# Altium PCB radioboard.PcbDoc (part 6 of 9) (continued)
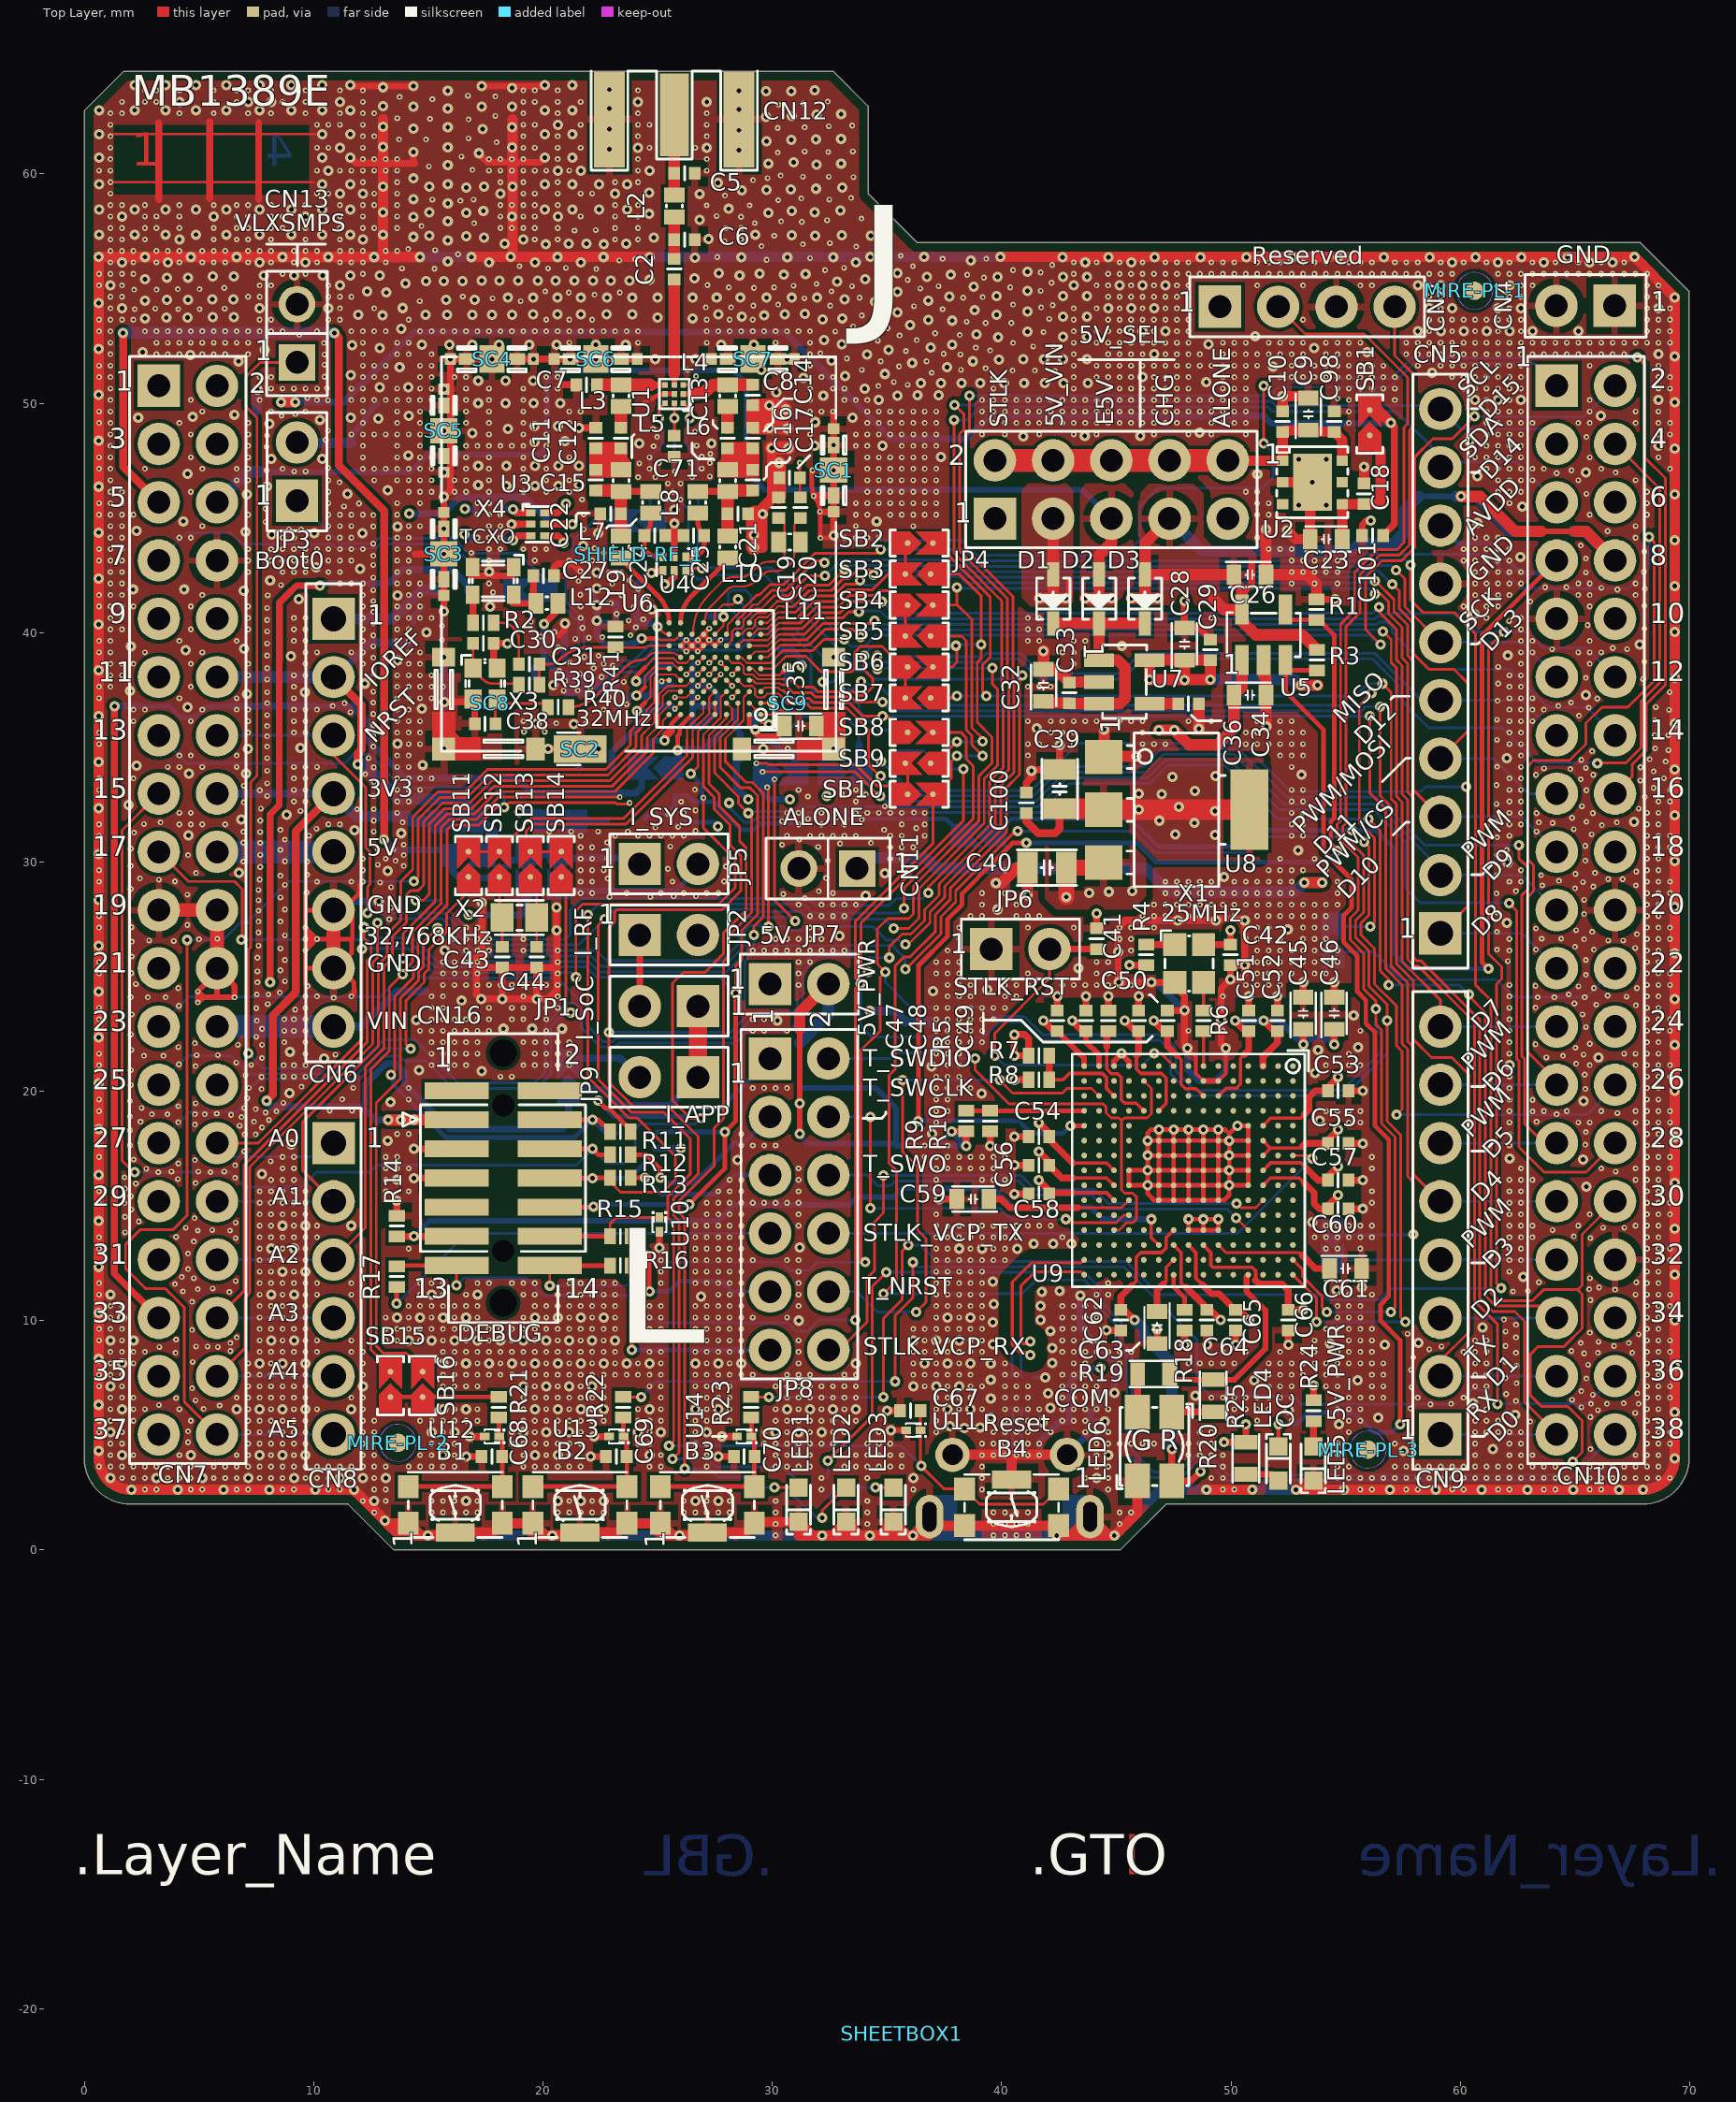
[diagram p0: Top Layer view]
## Nets (pads, with @x,y where several pads share a name; then routed paths per layer and width w, separated by ;. In a path a pad name is that pad's centre, name@x,y a point inside that pad or via, vN(x,y) a via of type N, cw(c..) or ccw(c..) an arc to the next point about the centre after c; other vN are vias at no path point) (continued)
67.643,21.638 68.143,21.638 68.643,21.638 2.05,21.8 65.025,21.9 4.1,21.925 6.7,22.025 7.75,22.025 63.275,22.05 65.65,22.075 4.825,22.1 8.718,22.138 9.643,22.138 15.143,22.138 15.643,22.138 16.143,22.138 16.643,22.138 17.143,22.138 19.143,22.138 19.643,22.138 20.143,22.138 20.643,22.138 21.143,22.138 37.143,22.138 37.643,22.138 38.143,22.138 38.643,22.138 39.143,22.138 62.143,22.138 68.143,22.138 68.643,22.138 7.5,22.375 2.025,22.475 8.718,22.638 9.143,22.638 9.643,22.638 14.643,22.638 15.143,22.638 15.643,22.638 16.143,22.638 16.643,22.638 17.143,22.638 17.643,22.638 20.143,22.638 29.143,22.638 29.643,22.638 30.643,22.638 37.143,22.638 37.643,22.638 38.143,22.638 38.643,22.638 39.143,22.638 48.143,22.638 49.643,22.638 55.643,22.638 62.143,22.638 68.143,22.638 68.643,22.638 69.143,22.638 7.75,22.725 65.475,22.8 7.525,23.075 0.643,23.138 8.718,23.138 9.143,23.138 9.643,23.138 15.143,23.138 15.643,23.138 16.143,23.138 16.643,23.138 17.143,23.138 17.643,23.138 18.643,23.138 19.143,23.138 20.143,23.138 29.143,23.138 29.643,23.138 37.143,23.138 37.643,23.138 38.143,23.138 38.643,23.138 39.143,23.138 39.643,23.138 62.143,23.138 68.143,23.138 68.643,23.138 69.143,23.138 2.075,23.35 65.325,23.35 9.193,23.563 0.643,23.638 7.5,23.625 9.643,23.638 15.143,23.638 15.643,23.638 17.643,23.638 18.643,23.638 19.143,23.638 20.143,23.638 20.643,23.638 37.143,23.638 37.643,23.638 38.143,23.638 38.643,23.638 39.143,23.638 39.643,23.638 40.143,23.638 49.643,23.638 62.143,23.638 68.143,23.638 68.643,23.638 63.275,23.65 4.125,23.725 67.65,23.75 65.925,23.775 8,23.8 64.975,23.825 10.875,24.075 2.025,24.1 2.775,24.1 3.55,24.1 63.375,24.1 64.1,24.1 65.425,24.1 67.25,24.125 9.643,24.138 10.143,24.138 15.143,24.138 15.643,24.138 19.143,24.138 20.643,24.138 37.643,24.138 38.143,24.138 38.643,24.138 40.143,24.138 40.643,24.138 49.643,24.138 62.143,24.138 68.143,24.138 68.643,24.138 66.425,24.175 7.525,24.225 8.025,24.225 64.725,24.225 8.525,24.3 4.1,24.5 65.825,24.5 67.7,24.5 65.15,24.575 63.275,24.6 15.643,24.638 16.143,24.638 16.643,24.638 17.143,24.638 17.643,24.638 18.143,24.638 18.643,24.638 19.143,24.638 19.643,24.638 20.143,24.638 20.643,24.638 31.143,24.638 37.643,24.638 38.143,24.638 38.643,24.638 40.143,24.638 40.643,24.638 41.143,24.638 42.643,24.638 43.143,24.638 43.643,24.638 44.143,24.638 44.643,24.638 45.643,24.638 50.643,24.638 51.143,24.638 51.643,24.638 52.143,24.638 62.143,24.638 68.143,24.638 68.643,24.638 69.143,24.638 2.25,24.675 7.55,24.75 8.75,24.8 65.475,25.075 0.643,25.138 15.643,25.138 16.143,25.138 16.643,25.138 17.143,25.138 20.643,25.138 31.143,25.138 37.143,25.138 37.643,25.138 38.143,25.138 41.143,25.138 44.143,25.138 44.643,25.138 51.143,25.138 51.643,25.138 52.143,25.138 52.643,25.138 53.643,25.138 54.143,25.138 68.143,25.138 68.643,25.138 69.143,25.138 2.05,25.15 7.55,25.225 8.55,25.275 0.643,25.638 15.643,25.638 16.143,25.638 16.643,25.638 17.143,25.638 20.643,25.638 31.143,25.638 31.643,25.638 37.143,25.638 37.643,25.638 38.143,25.638 44.143,25.638 44.643,25.638 51.143,25.638 51.643,25.638 52.143,25.638 52.643,25.638 53.143,25.638 53.643,25.638 54.143,25.638 54.643,25.638 68.143,25.638 68.643,25.638 62.075,25.675 8.75,25.725 65.475,25.725 7.55,25.825 2.075,25.875 9.643,26.138 16.643,26.138 17.143,26.138 17.643,26.138 19.143,26.138 20.643,26.138 29.143,26.138 29.643,26.138 30.143,26.138 30.643,26.138 31.143,26.138 31.643,26.138 32.143,26.138 32.643,26.138 33.143,26.138 37.643,26.138 38.143,26.138 45.643,26.138 51.143,26.138 51.643,26.138 52.143,26.138 52.643,26.138 53.143,26.138 53.643,26.138 54.143,26.138 54.643,26.138 62.143,26.138 68.143,26.138 68.643,26.138 61.6,26.175 63.3,26.175 65.825,26.175 8.55,26.225 67.625,26.25 65,26.3 7.6,26.35 2.075,26.525 3.9,26.55 2.825,26.575 66.45,26.575 67.1,26.575 5,26.625 16.143,26.638 16.643,26.638 17.143,26.638 17.643,26.638 19.143,26.638 30.143,26.638 30.643,26.638 31.143,26.638 31.643,26.638 32.143,26.638 38.143,26.638 45.143,26.638 45.643,26.638 50.643,26.638 51.143,26.638 51.643,26.638 52.143,26.638 53.143,26.638 53.643,26.638 54.143,26.638 62.143,26.638 65.4,26.625 68.143,26.638 68.643,26.638 69.143,26.638 63.55,26.65 64.4,26.65 8.75,26.8 67.7,26.85 7.6,26.925 61.6,26.95 65.75,26.95 65.05,27.025 63.3,27.1 0.643,27.138 2.05,27.15 9.643,27.138 16.643,27.138 17.143,27.138 31.643,27.138 32.143,27.138 38.143,27.138 41.143,27.138 43.143,27.138 45.143,27.138 45.643,27.138 46.143,27.138 46.643,27.138 51.143,27.138 51.643,27.138 53.143,27.138 53.643,27.138 54.143,27.138 68.143,27.138 68.643,27.138 69.143,27.138 4.5,27.25 7.6,27.4 8.55,27.4 13.3,27.5 0.643,27.638 31.643,27.638 32.143,27.638 32.643,27.638 33.143,27.638 38.643,27.638 39.143,27.638 40.643,27.638 41.143,27.638 41.643,27.638 46.143,27.638 46.643,27.638 47.143,27.638 48.143,27.638 48.643,27.638 50.143,27.638 51.143,27.638 51.643,27.638 52.143,27.638 52.643,27.638 53.143,27.638 53.643,27.638 54.143,27.638 68.143,27.638 68.643,27.638 65.4,27.725 61.6,27.8 7.6,27.875 8.75,27.925 13.375,28 31.143,28.138 32.143,28.138 32.643,28.138 33.143,28.138 33.643,28.138 39.143,28.138 40.643,28.138 46.643,28.138 47.143,28.138 47.643,28.138 48.143,28.138 48.643,28.138 49.143,28.138 49.643,28.138 50.143,28.138 50.643,28.138 51.143,28.138 51.643,28.138 52.143,28.138 52.643,28.138 53.143,28.138 53.643,28.138 54.143,28.138 54.643,28.138 68.143,28.138 68.643,28.138 7.6,28.325 65.4,28.35 31.425,28.425 8.55,28.45 22.9,28.475 24.687,28.475 25.7,28.5 26.675,28.5 4.5,28.575 30.475,28.6 61.575,28.625 21.643,28.638 22.143,28.638 23.643,28.638 25.143,28.638 26.143,28.638 27.143,28.638 27.643,28.638 32.643,28.638 39.143,28.638 40.143,28.638 47.143,28.638 47.643,28.638 48.143,28.638 48.643,28.638 49.143,28.638 49.643,28.638 50.143,28.638 50.643,28.638 51.143,28.638 51.643,28.638 52.143,28.638 52.643,28.638 54.643,28.638 68.143,28.638 68.643,28.638 69.143,28.638 32.025,28.725 62.425,28.725 7.6,28.775 2.025,28.825 65,28.85 13.375,28.9 65.8,28.925 63.575,28.975 67.65,28.975 8.75,29 12.9,29.1 65.35,29.125 0.643,29.138 3.95,29.15 10.143,29.138 11.643,29.138 21.643,29.138 22.143,29.138 25.643,29.138 27.9,29.15 47.143,29.138 47.643,29.138 48.143,29.138 48.643,29.138 49.143,29.138 50.143,29.138 50.643,29.138 51.143,29.138 51.643,29.138 52.143,29.138 52.643,29.138 54.643,29.138 62.143,29.138 62.643,29.138 68.143,29.138 68.643,29.138 69.143,29.138 64.3,29.175 3.25,29.225 7.649,29.232 66.45,29.25 67.075,29.25 2.425,29.275 22.825,29.275 32.35,29.3 8.55,29.4 9.718,29.438 61.6,29.425 63.525,29.425 65.025,29.475 4.875,29.525 65.875,29.525 67.675,29.575 0.643,29.638 12.143,29.638 21.643,29.638 22.143,29.638 22.643,29.638 40.143,29.638 51.643,29.638 52.143,29.638 52.643,29.638 53.143,29.638 54.143,29.638 62.643,29.638 68.143,29.638 68.643,29.638 25.45,29.7 7.674,29.782 27.975,29.8 2.025,29.825 13.925,29.825 12.8,29.875 6.938,30.015 9.718,30.013 8.75,30.025 13.575,30.05 32.425,30.05 65.45,30.05 12.143,30.138 13.143,30.138 21.643,30.138 22.143,30.138 22.8,30.15 35.143,30.138 35.643,30.138 52.143,30.138 53.643,30.138 68.143,30.138 68.643,30.138 4.525,30.3 13.925,30.3 61.6,30.3 7.674,30.307 8.55,30.525 62.025,30.525 12.8,30.55 13.475,30.55 2.025,30.575 21.643,30.638 22.143,30.638 32,30.65 35.143,30.638 35.643,30.638 36.143,30.638 68.143,30.638 68.643,30.638 69.143,30.638 25.55,30.675 65.45,30.7 13.925,30.75 30.425,30.75 32.95,30.8 7.674,30.832 34.3,30.825 6.938,30.84 22.8,30.85 8.75,30.975 31.175,30.975 61.6,31.075 0.643,31.138 9.793,31.138 21.643,31.138 23.143,31.138 24.143,31.138 24.643,31.138 25.143,31.138 25.643,31.138 26.143,31.138 30.643,31.138 31.643,31.138 32.143,31.138 32.643,31.138 33.143,31.138 33.643,31.138 35.143,31.138 35.643,31.138 36.643,31.138 52.643,31.138 53.143,31.138 62.143,31.138 68.143,31.138 68.643,31.138 69.143,31.138 65.725,31.2 2.175,31.275 6.938,31.315 7.674,31.307 12.625,31.325 20.275,31.325 21.225,31.325 22.4,31.325 23.7,31.325 63.325,31.325 26.65,31.35 8.55,31.4 34.875,31.4 64.95,31.425 10.125,31.45 36.275,31.475 24.9,31.5 25.9,31.525 66.175,31.6 0.643,31.638 2.6,31.65 4.143,31.638 4.643,31.638 5.143,31.638 6.143,31.638 10.643,31.638 11.143,31.638 31.143,31.638 32.143,31.638 33.143,31.638 35.643,31.638 36.643,31.638 52.643,31.638 53.143,31.638 62.143,31.638 62.643,31.638 68.143,31.638 68.643,31.638 64.025,31.7 3.325,31.725 13.875,31.725 63.425,31.725 66.825,31.725 61.575,31.75 65.5,31.75 30.425,31.775 7.675,31.8 12.625,31.8 33.9,31.85 31.55,31.875 64.875,31.925 32.825,31.95 25.475,32.075 63.325,32.125 65.775,32.125 4.143,32.138 4.643,32.138 13.643,32.138 26.143,32.138 30.643,32.138 31.143,32.138 32.143,32.138 33.643,32.138 34.143,32.138 34.643,32.138 35.143,32.138 35.643,32.138 36.175,32.15 36.643,32.138 52.643,32.138 53.143,32.138 62.143,32.138 62.643,32.138 68.143,32.138 68.643,32.138 9.425,32.225 26.65,32.25 11.9,32.3 12.625,32.3 7.7,32.325 67.775,32.325 34.9,32.425 65.3,32.425 61.575,32.525 6.95,32.6 9.143,32.638 9.643,32.638 13.643,32.638 14.143,32.638 26.025,32.625 33.643,32.638 52.643,32.638 53.143,32.638 62.143,32.638 62.643,32.638 68.643,32.638 69.143,32.638 68.05,32.825 31.55,32.85 7.975,32.875 12.625,32.875 34.075,32.95 33.025,32.975 0.643,33.138 7.65,33.125 9.143,33.138 9.643,33.138 13.643,33.138 14.143,33.138 14.643,33.138 31.143,33.138 33.643,33.138 52.643,33.138 53.143,33.138 62.143,33.138 62.643,33.138 65.5,33.125 69.143,33.138 26.625,33.15 68.425,33.225 6.95,33.325 61.575,33.35 7.975,33.425 12.625,33.475 67.85,33.55 65.25,33.6 0.643,33.638 2.143,33.638 9.143,33.638 9.643,33.638 13.643,33.638 14.143,33.638 14.643,33.638 15.143,33.638 16.143,33.638 16.643,33.638 62.143,33.638 62.643,33.638 68.875,33.65 63.3,33.8 65.8,33.8 12.25,33.825 68.425,33.95 7.975,33.975 64.8,34.05 63.65,34.075 65.475,34.1 3.643,34.138 4.143,34.138 5.143,34.138 6.643,34.138 9.143,34.138 9.643,34.138 10.143,34.138 12.625,34.125 13.643,34.138 14.143,34.138 52.643,34.138 62.643,34.138 67.85,34.125 61.6,34.15 68.95,34.375 65.275,34.45 68.25,34.475 7.975,34.525 12.4,34.525 4.143,34.638 4.643,34.638 6.643,34.638 13.643,34.638 14.143,34.638 41.143,34.638 52.143,34.638 52.643,34.638 53.143,34.638 62.643,34.638 65.75,34.825 69.075,34.875 30.675,34.95 68.5,34.95 7.975,35.025 12.6,35.025 0.643,35.138 14.143,35.138 14.643,35.138 41.143,35.138 41.643,35.138 43.143,35.138 46.143,35.138 46.643,35.138 47.143,35.138 50.643,35.138 51.143,35.138 51.643,35.138 52.143,35.138 52.643,35.138 53.143,35.138 62.143,35.138 62.643,35.138 61.6,35.325 7.975,35.475 12.6,35.5 68.475,35.525 69.075,35.525 0.643,35.638 7.143,35.638 9.143,35.638 9.643,35.638 13.643,35.638 14.143,35.638 14.643,35.638 42.143,35.638 42.643,35.638 43.143,35.638 46.143,35.638 50.643,35.638 51.143,35.638 52.143,35.638 52.643,35.638 53.143,35.638 62.143,35.638 62.643,35.638 19.175,35.675 20.075,35.675 7.975,35.925 12.6,35.95 20.575,36.05 21.888,36.05 2.143,36.138 4.643,36.138 7.143,36.138 9.143,36.138 9.643,36.138 13.643,36.138 14.143,36.138 14.643,36.138 19.143,36.138 41.143,36.138 42.143,36.138 42.643,36.138 43.143,36.138 43.643,36.138 44.143,36.138 45.143,36.138 45.643,36.138 46.143,36.138 48.143,36.138 49.143,36.138 51.143,36.138 52.143,36.138 52.643,36.138 62.143,36.138 62.643,36.138 63.143,36.138 68.5,36.175 61.6,36.2 22.95,36.325 65.175,36.375 7.975,36.4 12.6,36.45 11.6,36.525 69.1,36.625 2.143,36.638 2.643,36.638 5.143,36.638 6.643,36.638 7.143,36.638 9.143,36.638 9.643,36.638 10.143,36.638 13.643,36.638 14.143,36.638 22.643,36.638 62.143,36.638 62.643,36.638 63.143,36.638 63.643,36.638 65.6,36.725 68.525,36.75 10.825,36.8 64.275,36.8 23.65,36.875 7.975,36.925 11.35,36.925 12.6,36.95 64.825,36.95 61.625,37.025 65.975,37.125 0.643,37.138 4.143,37.138 6.643,37.138 9.143,37.138 13.643,37.138 14.143,37.138 14.643,37.138 15.143,37.138 62.143,37.138 62.643,37.138 63.143,37.138 22.875,37.175 7.975,37.4 69.125,37.4 12.6,37.425 20.9,37.463 21.512,37.475 22.063,37.587 0.643,37.638 1.143,37.638 4.643,37.638 9.143,37.638 13.643,37.638 14.143,37.638 14.643,37.638 15.143,37.638 15.643,37.638 41.143,37.638 41.643,37.638 42.143,37.638 62.143,37.638 62.643,37.638 61.65,37.775 23.525,37.85 20.963,37.9 7.975,37.95 67.975,37.975 65.475,38.025 22.55,38.062 1.143,38.138 1.643,38.138 7.143,38.138 9.143,38.138 9.643,38.138 13.643,38.138 14.143,38.138 14.643,38.138 15.143,38.138 62.143,38.138 62.643,38.138 12.625,38.2 21.612,38.2 20.713,38.325 7.975,38.45 22.213,38.45 61.65,38.5 23.038,38.55 1.143,38.638 1.643,38.638 2.143,38.638 4.643,38.638 7.143,38.638 9.643,38.638 12.143,38.638 14.143,38.638 14.643,38.638 22.643,38.638 43.143,38.638 62.643,38.638 65.643,38.638 21.187,38.675 68.025,38.725 12.6,38.9 21.8,38.937 22.425,38.987 7.975,39 0.643,39.138 1.143,39.138 2.643,39.138 5.143,39.138 9.643,39.138 10.143,39.138 11.643,39.138 12.143,39.138 14.143,39.138 14.643,39.138 42.643,39.138 43.143,39.138 62.643,39.138 63.143,39.138 65.143,39.138 65.643,39.138 66.143,39.138 64,39.275 67.275,39.275 66.65,39.325 20.675,39.362 12.6,39.4 7.975,39.525 0.643,39.638 1.143,39.638 4.143,39.638 6.643,39.638 9.143,39.638 9.643,39.638 12.143,39.638 13.643,39.638 14.143,39.638 41.143,39.638 41.643,39.638 43.143,39.638 43.643,39.638 62.643,39.638 63.143,39.638 65.643,39.638 15.6,39.675 21.4,39.725 22,39.775 22.588,39.8 19.9,39.825 12.6,39.875 23.812,39.883 20.5,40.025 7.975,40.05 1.143,40.138 1.643,40.138 4.643,40.138 7.143,40.138 9.143,40.138 9.643,40.138 12.143,40.138 13.643,40.138 14.143,40.138 41.143,40.138 41.643,40.138 62.643,40.138 68.025,40.175 21.725,40.2 24.05,40.225 15.6,40.3 65.55,40.325 12.6,40.4 19.475,40.475 62.125,40.5 23.737,40.525 7.975,40.55 24.375,40.575 1.143,40.638 1.643,40.638 7.143,40.638 9.143,40.638 9.643,40.638 12.143,40.638 13.643,40.638 14.143,40.638 14.643,40.638 15.143,40.638 21.643,40.638 41.143,40.638 41.643,40.638 49.143,40.638 61.143,40.638 62.643,40.638 23.213,40.812 12.6,40.9 7.975,41.075 23.95,41.1 0.643,41.138 1.143,41.138 1.643,41.138 2.143,41.138 4.643,41.138 7.143,41.138 12.143,41.138 13.643,41.138 14.143,41.138 14.643,41.138 21.643,41.138 60.143,41.138 61.143,41.138 61.643,41.138 65.643,41.138 68.025,41.175 22.95,41.275 63.05,41.35 12.6,41.375 24.525,41.475 8,41.625 23.425,41.625 0.643,41.638 1.143,41.638 1.643,41.638 5.143,41.638 12.143,41.638 14.143,41.638 14.643,41.638 21.625,41.65 60.643,41.638 61.143,41.638 61.643,41.638 62.143,41.638 65.143,41.638 65.643,41.638 67.643,41.638 17.825,41.75 12.6,41.85 66.85,41.875 24.15,41.9 68.05,41.9 66.15,41.95 63.7,41.975 64.625,41.975 8.575,42.075 1.143,42.138 1.643,42.138 11.143,42.138 11.643,42.138 12.143,42.138 13.643,42.138 14.143,42.138 14.643,42.138 17.643,42.138 23.025,42.125 52.643,42.138 53.643,42.138 54.643,42.138 60.643,42.138 61.143,42.138 61.643,42.138 62.143,42.138 62.643,42.138 65.143,42.138 65.643,42.138 67.643,42.138 21.55,42.25 23.775,42.275 12.6,42.4 1.143,42.638 1.643,42.638 7.143,42.638 8.643,42.638 9.143,42.638 9.643,42.638 10.643,42.638 11.143,42.638 13.643,42.638 14.143,42.638 22.875,42.625 23.4,42.625 52.643,42.638 53.143,42.638 53.643,42.638 54.143,42.638 54.643,42.638 60.643,42.638 61.143,42.638 61.643,42.638 62.143,42.638 62.643,42.638 65.475,42.625 68,42.65 12.6,42.95 0.643,43.138 1.143,43.138 1.643,43.138 7.143,43.138 8.143,43.138 8.643,43.138 9.143,43.138 9.643,43.138 10.643,43.138 11.143,43.138 11.643,43.138 13.643,43.138 14.143,43.138 17.643,43.138 19.643,43.138 21.143,43.138 22.143,43.138 52.643,43.138 53.143,43.138 53.643,43.138 54.143,43.138 54.643,43.138 60.143,43.138 60.643,43.138 61.143,43.138 61.643,43.138 62.143,43.138 65.475,43.225 12.6,43.35 16.875,43.475 22.65,43.475 68.025,43.525 0.643,43.638 1.143,43.638 1.643,43.638 7.143,43.638 8.143,43.638 8.643,43.638 9.143,43.638 9.643,43.638 10.143,43.638 10.643,43.638 11.143,43.638 11.643,43.638 12.143,43.638 13.643,43.638 14.143,43.638 17.643,43.638 18.143,43.638 19.143,43.638 19.643,43.638 20.143,43.638 51.643,43.638 52.143,43.638 52.643,43.638 60.143,43.638 60.643,43.638 61.143,43.638 61.643,43.638 62.143,43.638 22.25,43.675 65.25,43.8 12.6,43.875 1.143,44.138 1.643,44.138 4.143,44.138 4.643,44.138 8.643,44.138 9.143,44.138 10.643,44.138 11.143,44.138 11.643,44.138 13.643,44.138 14.143,44.138 17.143,44.138 17.643,44.138 18.143,44.138 33.143,44.138 33.643,44.138 34.143,44.138 34.643,44.138 51.143,44.138 60.643,44.138 61.143,44.138 61.643,44.138 67.643,44.138 66.425,44.425 8.925,44.5 9.45,44.5 21.775,44.5 12.6,44.625 1.143,44.638 1.643,44.638 5.143,44.638 10.643,44.638 11.143,44.638 11.643,44.638 14.143,44.638 14.643,44.638 17.643,44.638 18.143,44.638 33.643,44.638 36.143,44.638 67.643,44.638 7.9,44.825 12.6,45.125 0.643,45.138 1.143,45.138 1.643,45.138 2.143,45.138 7.143,45.138 10.643,45.138 11.143,45.138 11.643,45.138 12.143,45.138 13.643,45.138 17.143,45.138 17.643,45.138 18.143,45.138 21.775,45.15 33.643,45.138 34.143,45.138 35.143,45.138 35.643,45.138 36.143,45.138 36.643,45.138 37.143,45.138 51.143,45.138 51.643,45.138 65.643,45.138 68.143,45.138 7.9,45.4 11.325,45.5 0.643,45.638 1.143,45.638 1.643,45.638 10.643,45.638 11.975,45.625 13.643,45.638 14.643,45.638 17.143,45.638 17.643,45.638 18.143,45.638 33.643,45.638 34.143,45.638 34.643,45.638 35.143,45.638 35.643,45.638 36.143,45.638 36.643,45.638 37.143,45.638 51.143,45.638 51.643,45.638 62.143,45.638 68.143,45.638 21.7,45.8 25.45,45.8 26,45.8 65.5,46.05 1.143,46.138 1.643,46.138 4.643,46.138 10.643,46.138 14.143,46.138 14.643,46.138 15.143,46.138 16.143,46.138 16.643,46.138 17.643,46.138 19.143,46.138 20.143,46.138 21.143,46.138 25.643,46.138 34.143,46.138 34.643,46.138 35.143,46.138 35.643,46.138 36.143,46.138 36.643,46.138 37.143,46.138 50.643,46.138 51.143,46.138 61.643,46.138 62.143,46.138 62.643,46.138 68.143,46.138 25.45,46.5 26,46.5 11.125,46.55 1.143,46.638 6.643,46.638 7.143,46.638 10.643,46.638 12.643,46.638 13.643,46.638 14.143,46.638 14.643,46.638 15.143,46.638 16.143,46.638 16.643,46.638 17.643,46.638 19.143,46.638 20.143,46.638 21.143,46.638 34.143,46.638 34.643,46.638 35.143,46.638 35.643,46.638 36.143,46.638 36.643,46.638 37.143,46.638 61.643,46.638 62.143,46.638 62.643,46.638 63.143,46.638 65.143,46.638 67.643,46.638 24.15,46.775 24.9,46.775 26.5,46.775 27.275,46.8 64.2,46.95 66.775,46.975 9.15,47.025 9.65,47.025 25.75,47.025 7.95,47.075 31.75,47.075 64.85,47.075 0.643,47.138 1.143,47.138 2.643,47.138 5.143,47.138 6.643,47.138 7.143,47.138 8.643,47.138 12.143,47.138 12.643,47.138 13.143,47.138 13.643,47.138 14.143,47.138 14.643,47.138 15.143,47.138 16.643,47.138 17.643,47.138 19.143,47.138 20.143,47.138 24.643,47.138 34.143,47.138 34.643,47.138 35.143,47.138 35.643,47.138 36.143,47.138 36.643,47.138 37.143,47.138 61.143,47.138 61.643,47.138 62.143,47.138 62.643,47.138 63.143,47.138 63.643,47.138 66.143,47.138 69.143,47.138 26.925,47.15 10.625,47.175 24.2,47.375 25.05,47.4 26.45,47.4 27.275,47.4 0.643,47.638 1.143,47.638 4.643,47.638 7.143,47.638 12.143,47.638 13.643,47.638 14.643,47.638 15.143,47.638 16.643,47.638 17.643,47.638 19.143,47.638 20.143,47.638 21.143,47.638 24.643,47.638 34.143,47.638 34.643,47.638 35.143,47.638 35.643,47.638 36.143,47.638 36.643,47.638 60.643,47.638 61.143,47.638 61.643,47.638 62.143,47.638 62.643,47.638 65.643,47.638 68.643,47.638 26.925,47.675 27.3,47.788 7.95,48.1 24.825,48.125 1.143,48.138 7.143,48.138 12.143,48.138 13.643,48.138 14.643,48.138 16.643,48.138 17.143,48.138 17.643,48.138 18.143,48.138 18.643,48.138 19.143,48.138 20.143,48.138 26.7,48.15 33.643,48.138 34.143,48.138 35.643,48.138 36.143,48.138 36.643,48.138 37.143,48.138 61.143,48.138 61.643,48.138 62.143,48.138 62.643,48.138 10.525,48.4 24.975,48.525 65.5,48.525 7.975,48.6 1.143,48.638 4.643,48.638 7.143,48.638 11.643,48.638 12.143,48.638 12.643,48.638 13.143,48.638 13.643,48.638 14.143,48.638 14.643,48.638 17.643,48.638 19.143,48.638 20.143,48.638 31.643,48.638 33.643,48.638 34.143,48.638 34.643,48.638 35.143,48.638 35.643,48.638 36.143,48.638 36.643,48.638 37.143,48.638 39.143,48.638 40.143,48.638 41.643,48.638 43.143,48.638 44.143,48.638 46.643,48.638 48.143,48.638 49.143,48.638 50.643,48.638 61.143,48.638 61.643,48.638 62.143,48.638 62.643,48.638 68.643,48.638 69.143,48.638 26.638,48.763 10.625,48.8 24.8,48.875 0.643,49.138 1.143,49.138 4.143,49.138 7.143,49.138 12.143,49.138 13.643,49.138 14.643,49.138 16.643,49.138 17.643,49.138 19.143,49.138 20.143,49.138 21.143,49.138 34.143,49.138 34.643,49.138 35.143,49.138 35.643,49.138 36.143,49.138 36.643,49.138 37.143,49.138 39.143,49.138 39.643,49.138 40.143,49.138 40.643,49.138 41.143,49.138 41.643,49.138 42.143,49.138 42.643,49.138 43.143,49.138 43.643,49.138 44.143,49.138 44.643,49.138 45.143,49.138 45.643,49.138 46.143,49.138 46.643,49.138 47.143,49.138 47.643,49.138 48.143,49.138 49.143,49.138 49.643,49.138 50.143,49.138 50.643,49.138 55.143,49.138 61.143,49.138 61.643,49.138 62.143,49.138 62.643,49.138 63.143,49.138 65.143,49.138 65.643,49.138 67.643,49.138 68.643,49.138 69.143,49.138 8.6,49.45 9.2,49.525 0.643,49.638 1.143,49.638 5.143,49.638 8.143,49.638 9.643,49.638 12.143,49.638 13.643,49.638 14.643,49.638 15.143,49.638 16.643,49.638 17.643,49.638 19.143,49.638 20.143,49.638 21.143,49.638 21.643,49.638 31.643,49.638 32.143,49.638 32.643,49.638 34.143,49.638 34.643,49.638 35.143,49.638 35.643,49.638 36.143,49.638 36.643,49.638 37.143,49.638 39.143,49.638 39.643,49.638 40.143,49.638 40.643,49.638 41.143,49.638 41.643,49.638 42.143,49.638 42.643,49.638 43.143,49.638 43.643,49.638 44.143,49.638 44.643,49.638 45.143,49.638 45.643,49.638 46.143,49.638 46.643,49.638 47.143,49.638 47.643,49.638 48.143,49.638 48.643,49.638 49.143,49.638 49.643,49.638 50.143,49.638 50.643,49.638 55.143,49.638 61.143,49.638 61.643,49.638 62.143,49.638 62.643,49.638 65.643,49.638 67.643,49.638 68.643,49.638 1.143,50.138 4.643,50.138 7.643,50.138 10.143,50.138 10.625,50.125 11.643,50.138 12.143,50.138 12.643,50.138 13.143,50.138 13.643,50.138 14.143,50.138 14.643,50.138 15.143,50.138 16.643,50.138 17.643,50.138 19.143,50.138 20.143,50.138 31.643,50.138 33.143,50.138 33.643,50.138 34.143,50.138 39.143,50.138 39.643,50.138 40.143,50.138 40.643,50.138 41.143,50.138 41.643,50.138 42.143,50.138 42.643,50.138 43.143,50.138 43.643,50.138 44.143,50.138 44.643,50.138 45.143,50.138 45.643,50.138 46.143,50.138 46.643,50.138 47.143,50.138 47.643,50.138 48.143,50.138 48.643,50.138 49.143,50.138 49.643,50.138 50.143,50.138 50.643,50.138 55.143,50.138 57.143,50.138 61.143,50.138 62.143,50.138 65.643,50.138 54.65,50.2 9.725,50.225 1.143,50.638 8.143,50.638 8.643,50.638 9.143,50.638 9.643,50.638 10.143,50.638 11.643,50.638 12.143,50.638 13.643,50.638 14.643,50.638 15.143,50.638 16.643,50.638 17.643,50.638 19.143,50.638 20.143,50.638 20.643,50.638 31.643,50.638 32.643,50.638 33.143,50.638 39.643,50.638 43.143,50.638 44.643,50.638 45.143,50.638 45.643,50.638 46.143,50.638 46.643,50.638 47.143,50.638 47.643,50.638 48.143,50.638 49.643,50.638 50.143,50.638 50.643,50.638 54.643,50.638 55.143,50.638 55.643,50.638 56.143,50.638 56.643,50.638 57.143,50.638 60.143,50.638 60.643,50.638 61.143,50.638 61.643,50.638 62.143,50.638 62.643,50.638 68.643,50.638 69.143,50.638 10.575,50.65 34.625,50.75 35.9,50.8 35.3,50.925 0.643,51.138 1.143,51.138 7.643,51.138 8.143,51.138 10.475,51.15 12.143,51.138 12.643,51.138 13.143,51.138 14.643,51.138 15.143,51.138 16.143,51.138 16.643,51.138 20.143,51.138 20.643,51.138 32.143,51.138 32.643,51.138 39.643,51.138 43.143,51.138 44.143,51.138 44.643,51.138 45.143,51.138 45.643,51.138 46.643,51.138 47.143,51.138 47.643,51.138 48.143,51.138 49.643,51.138 50.143,51.138 50.643,51.138 52.143,51.138 52.643,51.138 53.143,51.138 53.643,51.138 54.143,51.138 54.643,51.138 55.143,51.138 55.643,51.138 56.143,51.138 56.643,51.138 57.143,51.138 59.643,51.138 60.143,51.138 60.643,51.138 61.143,51.138 61.643,51.138 62.143,51.138 62.643,51.138 68.643,51.138 69.143,51.138 36.95,51.325 42.325,51.4 40.475,51.425 41.45,51.425 26.3,51.45 33.9,51.45 38.225,51.45 39.3,51.525 35.525,51.6 0.643,51.638 1.143,51.638 12.143,51.638 12.643,51.638 13.143,51.638 14.643,51.638 15.143,51.638 31.643,51.638 43.143,51.638 44.143,51.638 44.643,51.638 45.143,51.638 45.643,51.638 46.143,51.638 46.643,51.638 47.143,51.638 47.643,51.638 48.143,51.638 48.643,51.638 49.143,51.638 49.643,51.638 50.143,51.638 50.643,51.638 51.143,51.638 52.643,51.638 53.143,51.638 53.643,51.638 54.143,51.638 54.643,51.638 55.143,51.638 55.643,51.638 56.143,51.638 56.643,51.638 58.143,51.638 59.143,51.638 59.643,51.638 60.143,51.638 60.643,51.638 61.143,51.638 61.643,51.638 62.143,51.638 62.643,51.638 65.643,51.638 68.643,51.638 10.475,51.675 34.725,51.825 36.725,51.825 33.25,51.95 1.143,52.138 3.143,52.138 3.643,52.138 4.143,52.138 5.143,52.138 5.643,52.138 6.143,52.138 7.143,52.138 10.475,52.125 12.143,52.138 13.643,52.138 14.143,52.138 15.143,52.138 31.643,52.138 38.2,52.125 43.143,52.138 44.643,52.138 45.143,52.138 45.643,52.138 46.143,52.138 47.143,52.138 47.643,52.138 48.143,52.138 48.643,52.138 49.643,52.138 50.143,52.138 50.643,52.138 51.143,52.138 51.643,52.138 52.143,52.138 52.643,52.138 53.143,52.138 54.143,52.138 54.643,52.138 55.143,52.138 57.643,52.138 58.143,52.138 58.643,52.138 59.143,52.138 59.643,52.138 60.143,52.138 60.643,52.138 61.143,52.138 61.643,52.138 62.143,52.138 62.643,52.138 63.143,52.138 63.643,52.138 64.143,52.138 64.643,52.138 65.143,52.138 65.643,52.138 66.143,52.138 66.643,52.138 67.143,52.138 37.475,52.15 32.1,52.175 35.825,52.275 39.5,52.3 38.875,52.425 41.375,52.475 42.275,52.475 10.45,52.625 40.5,52.625 1.143,52.638 3.143,52.638 3.643,52.638 4.143,52.638 4.643,52.638 5.143,52.638 5.643,52.638 6.143,52.638 6.643,52.638 7.143,52.638 12.143,52.638 13.643,52.638 14.143,52.638 21.143,52.638 24.143,52.638 27.143,52.638 30.143,52.638 31.643,52.638 43.143,52.638 44.143,52.638 44.643,52.638 45.143,52.638 45.643,52.638 46.143,52.638 46.643,52.638 47.143,52.638 47.643,52.638 48.143,52.638 49.643,52.638 50.143,52.638 50.643,52.638 51.643,52.638 52.143,52.638 52.643,52.638 53.143,52.638 54.143,52.638 54.643,52.638 55.143,52.638 55.643,52.638 57.643,52.638 58.143,52.638 58.643,52.638 59.143,52.638 59.643,52.638 60.143,52.638 60.643,52.638 61.143,52.638 61.643,52.638 62.143,52.638 62.643,52.638 63.143,52.638 63.643,52.638 64.143,52.638 64.643,52.638 65.143,52.638 65.643,52.638 66.143,52.638 66.643,52.638 67.143,52.638 67.643,52.638 68.143,52.638 68.643,52.638 69.143,52.638 33.75,52.725 34.6,52.725 36.3,52.75 35.55,52.95 9.375,52.975 38.175,52.975 37.1,53.05 41.825,53.1 0.643,53.138 1.143,53.138 2.643,53.138 3.143,53.138 3.643,53.138 4.143,53.138 4.643,53.138 5.143,53.138 5.643,53.138 6.143,53.138 6.643,53.138 7.143,53.138 7.643,53.138 8.143,53.138 8.643,53.138 10.143,53.138 11.643,53.138 12.143,53.138 12.643,53.138 13.143,53.138 14.643,53.138 15.143,53.138 15.643,53.138 16.143,53.138 16.643,53.138 17.143,53.138 17.643,53.138 18.143,53.138 18.643,53.138 19.143,53.138 19.643,53.138 20.143,53.138 20.643,53.138 21.143,53.138 21.643,53.138 22.143,53.138 22.643,53.138 23.143,53.138 23.643,53.138 24.143,53.138 27.143,53.138 27.643,53.138 28.143,53.138 28.643,53.138 29.143,53.138 29.643,53.138 30.143,53.138 30.643,53.138 31.143,53.138 31.643,53.138 32.75,53.125 43.143,53.138 44.143,53.138 44.643,53.138 45.143,53.138 45.643,53.138 46.643,53.138 47.643,53.138 48.143,53.138 58.643,53.138 59.643,53.138 60.643,53.138 61.643,53.138 62.643,53.138 68.143,53.138 68.643,53.138 69.143,53.138 35.025,53.275 33.525,53.35 39.3,53.5 40.425,53.5 38.475,53.55 0.643,53.638 1.143,53.638 1.643,53.638 2.143,53.638 7.643,53.638 8.143,53.638 10.643,53.638 11.143,53.638 14.143,53.638 20.143,53.638 21.143,53.638 22.143,53.638 27.143,53.638 28.143,53.638 29.143,53.638 43.143,53.638 44.643,53.638 45.143,53.638 45.643,53.638 46.143,53.638 46.643,53.638 47.143,53.638 47.643,53.638 48.143,53.638 53.143,53.638 58.643,53.638 59.143,53.638 59.643,53.638 60.143,53.638 60.643,53.638 61.143,53.638 61.643,53.638 62.143,53.638 62.643,53.638 68.143,53.638 68.643,53.638 69.143,53.638 42.075,53.675 34.725,53.7 33.9,53.825 2.2,54.1 4.1,54.1 5.025,54.1 37.425,54.1 3.1,54.125 6.125,54.125 1.143,54.138 11.143,54.138 12.643,54.138 43.143,54.138 44.143,54.138 45.143,54.138 46.143,54.138 47.143,54.138